# Altium PCB BB.PcbDoc (part 6 of 6)
Units mm, origin at the board's own origin, x right, y up, seen from the top; angles counter-clockwise.
Board outline 170.18 x 88.9 mm, 4 copper layers (Component Side, Ground Plane, Power Plane, Solder Side), stack 1.554 mm thick; 420 components, 358 nets, 1634 pads, 962 vias.
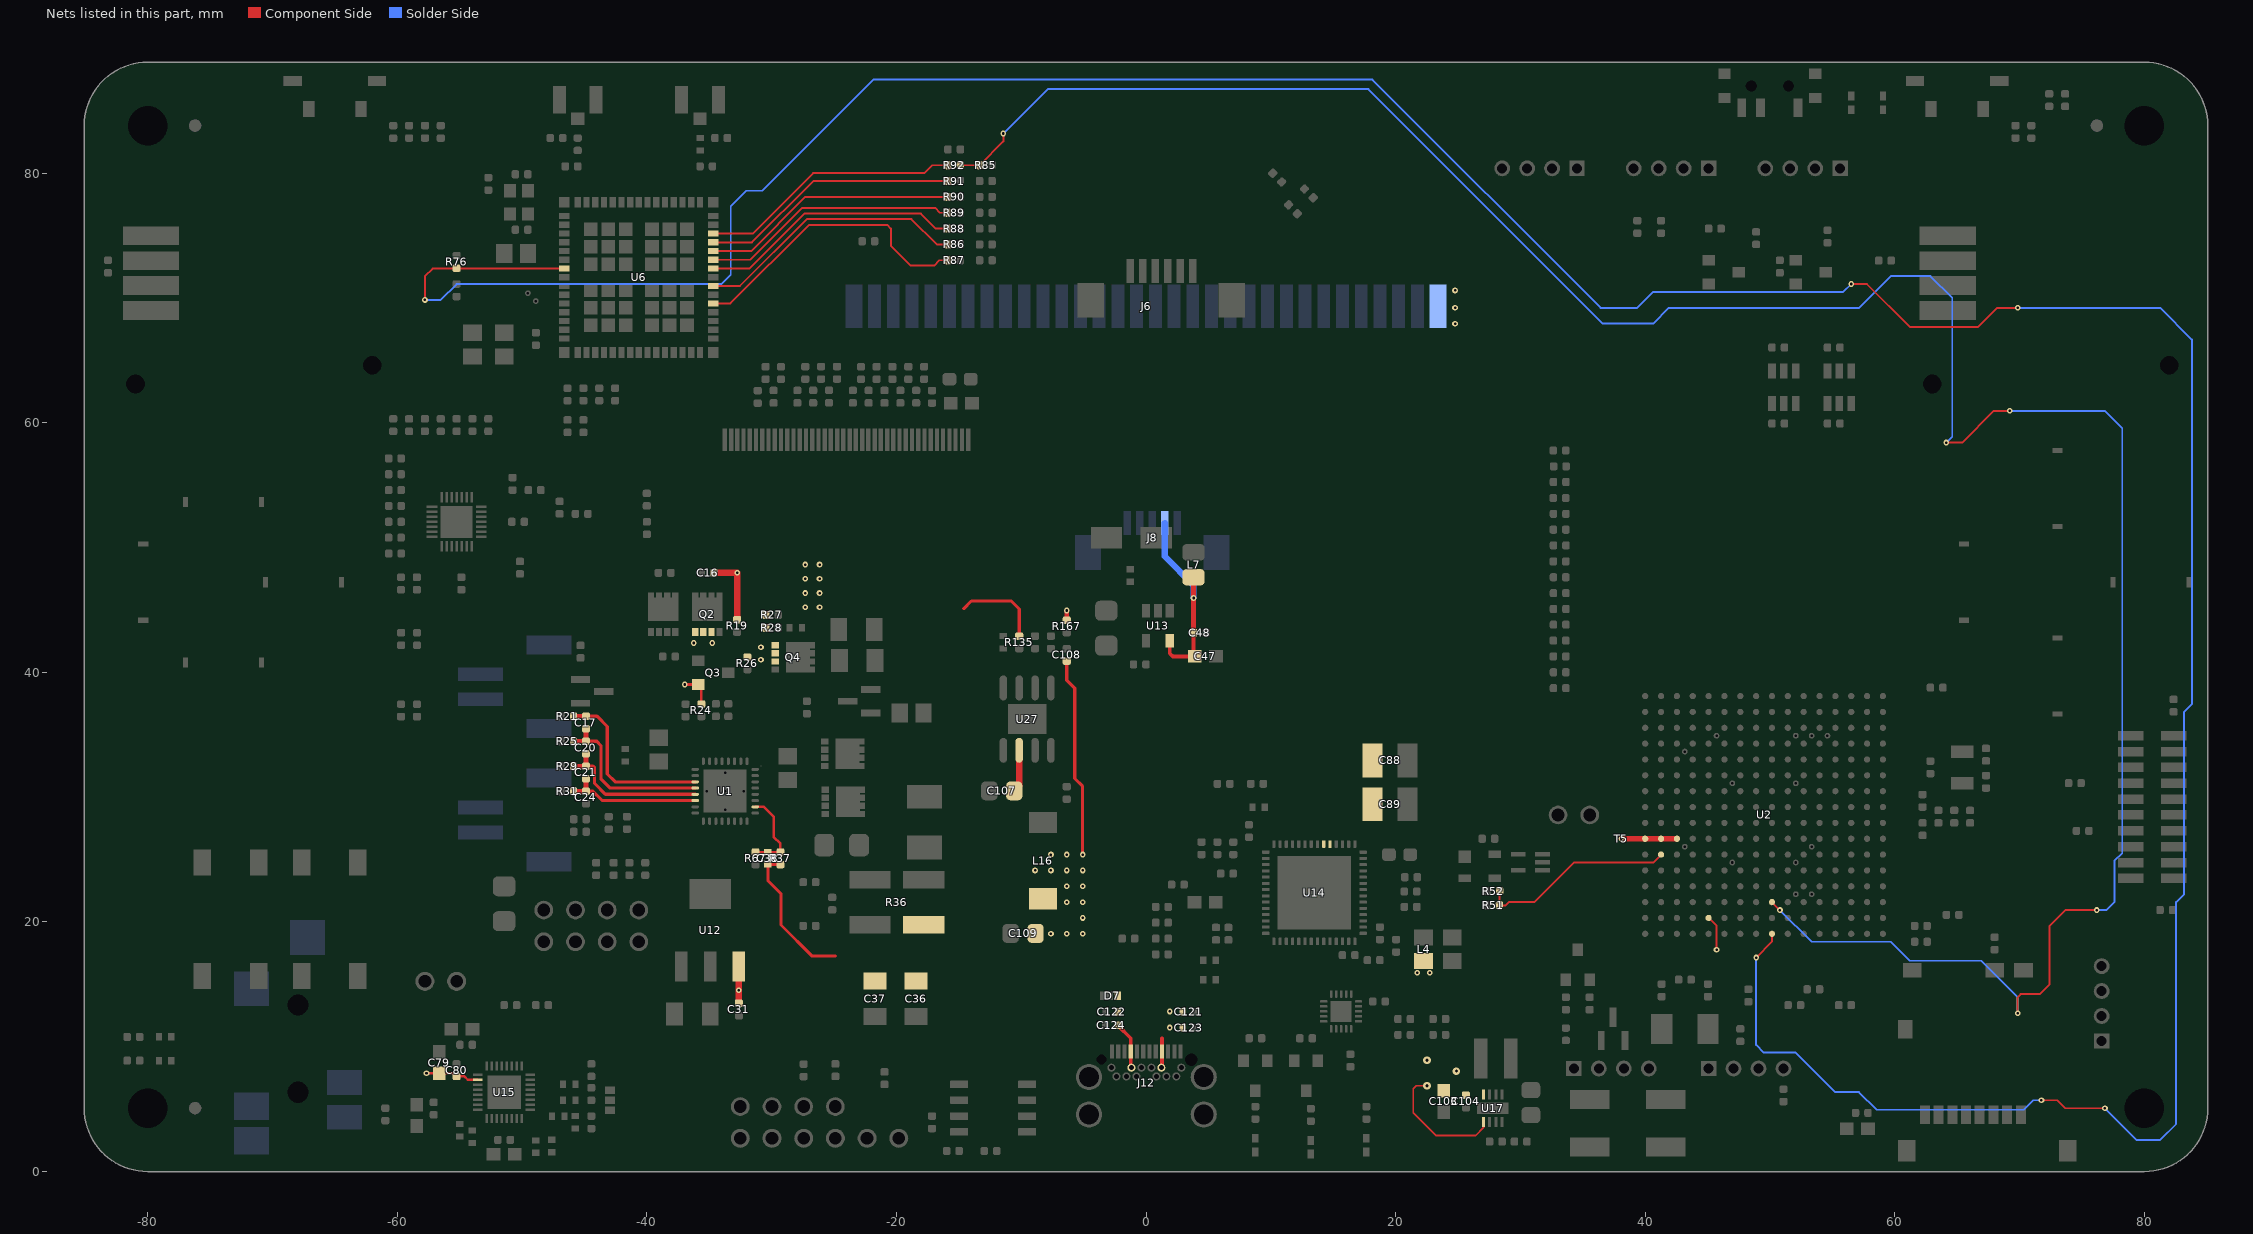
[diagram p8: the nets of this part, all layers, seen from the top]

## Via types
v1: diameter 0.457, hole 0.203, Component Side to Solder Side, tented both sides, 907 vias
v2: diameter 0.5, hole 0.203, Component Side to Solder Side, 32 vias
v3: diameter 0.61, hole 0.254, Component Side to Solder Side, tented both sides, 9 vias
v4: diameter 0.5, hole 0.203, Component Side to Solder Side, tented both sides, 8 vias
v5: diameter 0.457, hole 0.203, Component Side to Solder Side, 6 vias

## Nets (pads, with @x,y where several pads share a name; then routed paths per layer and width w, separated by ;. In a path a pad name is that pad's centre, name@x,y a point inside that pad or via, vN(x,y) a via of type N, cw(c..) or ccw(c..) an arc to the next point about the centre after c; other vN are vias at no path point) (continued)
V5P0: C31.2 C47.2 C48.2 C79.2 C80.2 C103.2 C104.2 C108.2 C109.2 J6.1 J8.2 L7.1 L16.1 R167.1 T5.1 U2.M15 U2.P10 U2.R10 U2.T10 U12.3 U13.5 U15.18 U17.1 U17.8 | length 58
  Component Side w0.152: v3(22.522,6.877) 21.669,6.877 21.413,6.622 21.413,4.717 23.25,2.88 26.405,2.88 27.035,3.51 U17.1@27.035,3.97 ; U2.M15@45.085,20.32 45.72,19.685 v1(45.72,17.78)
  Component Side w0.203: v1(-57.658,7.874) C79.2@-56.642,7.874 -55.548,7.874 -55.294,7.62 C80.2@-55.245,7.62 -54.618,7.62 -54.352,7.354 U15.18@-53.54,7.354
  Component Side w0.254: R167.1@-6.352,44.18 R167.1@-6.35,44.18 ; C108.2@-6.35,40.91 -6.35,39.37 -5.715,38.735 -5.715,31.496 -5.08,30.861 v1(-5.08,25.4)
  Component Side w0.305: U13.5@1.903,42.545 1.903,41.527 2.155,41.275 3.808,41.275 C48.2@3.808,43.18
  Component Side w0.381: R167.1@-6.35,44.088 -6.35,44.18 v1(-6.35,44.96) ; C48.2@3.808,43.18 v1(3.808,45.962) L7.1@3.808,47.625
  Component Side w0.457: T5.1@38.1,26.67 U2.R10@41.275,26.67 U2.P10@42.545,26.67
  Component Side w0.508: C31.2@-32.625,13.492 v1(-32.625,14.52) U12.3@-32.625,16.425
  Solder Side w0.508: J8.2@1.5,51.975 1.5,49.3 3.808,46.992 v1(3.808,45.962)
  other v1: -7.62,19.05 -6.35,19.05 -5.08,19.05 -5.08,20.32 -6.35,21.59 -5.08,21.59 -6.35,22.86 -5.08,22.86 -8.89,24.13 -7.62,24.13 -6.35,24.13 -5.08,24.13 -7.62,25.4 -6.35,25.4 24.765,67.945 24.765,69.215 24.765,70.612
  other v3: 24.872,8.052 22.522,8.919
V_USB_HV: C88.2 C89.2 Q3.2 Q4.1 Q4.2 Q4.3 R24.1 R26.1 R27.1 R28.1 U14.33 U14.34 | length 2.6
  Component Side w0.203: R24.1@-35.628,37.465 Q3.2@-35.628,39.005
  Component Side w0.254: v1(-36.973,39.03) Q3.2@-35.873,39.03
  other v1: -30.856,41.002 -30.856,42.018
VBUS: C121.2 C122.2 C123.2 C124.2 D7.1 J12.A4 J12.A9 J12.B4 J12.B9 L4.1 | length 6.2
  Component Side w0.305: C124.2@-2.254,11.711 -1.222,10.679 J12.A4@-1.222,9.632 J12.B9@-1.222,8.322 ; J12.B4@1.278,8.322 J12.A9@1.278,9.632 1.278,10.679
  other v1: 1.903,11.537 1.905,12.827 21.744,15.942 22.744,15.942
VC1: C21.1 C24.2 R31.2 U1.6 | length 11.1
  Component Side w0.254: C24.2@-44.878,30.48 -44.337,30.48 -43.587,29.73 U1.6@-36.123,29.73
  Component Side w0.381: R31.2@-45.878,30.48 C24.2@-44.878,30.48 C21.1@-44.878,31.48
VC2: C20.1 C21.2 R29.2 U1.5 | length 12.4
  Component Side w0.254: C21.2@-44.878,32.48 -44.305,32.48 -44.191,32.366 -44.191,31.096 -43.325,30.23 U1.5@-36.123,30.23
  Component Side w0.381: R29.2@-45.878,32.48 C21.2@-44.878,32.48 C20.1@-44.878,33.48
VC3: C17.1 C20.2 R25.2 U1.4 | length 13.9
  Component Side w0.254: C20.2@-44.878,34.48 -44.019,34.48 -43.683,34.144 -43.683,31.477 -42.936,30.73 U1.4@-36.123,30.73
  Component Side w0.381: R25.2@-45.878,34.48 C20.2@-44.878,34.48 C17.1@-44.878,35.48
VC4: C17.2 R21.2 U1.3 | length 14.2
  Component Side w0.254: C17.2@-44.878,36.48 -43.987,36.48 -43.175,35.668 -43.175,31.858 -42.547,31.23 U1.3@-36.123,31.23
  Component Side w0.381: R21.2@-45.878,36.48 C17.2@-44.878,36.48
VFB: C38.1 R37.2 R67.1 U1.18 | length 6.9
  Component Side w0.203: U1.18@-31.323,29.23 -30.627,29.23 -29.845,28.448 -29.845,26.824 -29.292,26.271 R37.2@-29.292,25.597 R67.1@-31.292,25.597
VSYS: C16.1 C36.1 C37.1 C38.2 C107.2 Q2.1 Q2.2 Q2.3 R19.1 R36.1 R37.1 R135.2 U27.2 | length 28
  Component Side w0.254: R37.1@-29.292,24.597 C38.2@-30.292,24.597 -30.292,23.307 -29.25,22.265 -29.25,19.76 -26.75,17.26 -24.892,17.26 ; -14.605,45.112 -13.997,45.72 -10.795,45.72 -10.16,45.085 R135.2@-10.16,42.91
  Component Side w0.508: C16.1@-34.623,47.98 v1(-32.766,47.98) R19.1@-32.766,44.23 ; C107.2@-10.668,30.417 -10.594,30.491 -10.569,30.516 -10.16,30.925 U27.2@-10.16,33.758
  other v1: -36.248,42.355 -34.748,42.355 -27.305,45.212 -26.162,45.212 -27.305,46.355 -26.162,46.355 -27.305,47.498 -26.162,47.498 -27.305,48.641 -26.162,48.641
WARM_RST_N: R51.2 R52.1 U2.R11 | length 15.8
  Component Side w0.152: R52.1@28.321,22.479 R51.2@28.321,21.336 28.829,21.336 29.083,21.59 31.115,21.59 34.29,24.765 40.64,24.765 U2.R11@41.275,25.4
WIFI_DEV_IRQ: R92.2 U6.14 | length 21.1
  Component Side w0.152: U6.14@-34.665,75.165 -31.515,75.165 -26.67,80.01 -17.78,80.01 -17.145,80.645 R92.2@-15.875,80.645
WIFI_IRQ: R85.2 R92.1 U2.H14 | length 197.3
  Component Side w0.152: R92.1@-14.875,80.645 R85.2@-13.335,80.645 -11.434,82.546 ; -11.434,82.545 v1(-11.434,83.185) ; U2.H14@50.165,21.59 v1(50.8,20.955) ; v1(64.135,58.42) 65.399,58.42 65.402,58.416 67.946,60.96 v1(69.215,60.96) ; v1(69.85,12.691) 69.85,13.97 70.096,14.215 71.619,14.215 72.41,15.006 72.41,19.699 73.666,20.955 v1(76.2,20.955)
  Solder Side w0.152: v1@-11.432,83.183 -7.874,86.741 17.825,86.741 36.621,67.945 40.635,67.945 41.905,69.215 57.15,69.215 59.695,71.76 62.86,71.76 64.61,70.01 64.61,58.895 v1(64.135,58.42) ; v1(50.8,20.955) 53.34,18.415 59.69,18.415 61.214,16.891 66.929,16.891 69.847,13.973 v1@69.847,12.688 ; v1(69.215,60.96) 76.835,60.96 78.232,59.563 78.232,25.526 77.597,24.891 77.597,21.595 76.957,20.955 v1(76.2,20.955)
WIFI_SDIO_CLK: R86.2 U6.8 | length 21.9
  Component Side w0.152: U6.8@-34.665,70.965 -32.541,70.965 -27.178,76.327 -18.796,76.327 -16.764,74.295 R86.2@-15.875,74.295
WIFI_SDIO_CMD: R87.2 U6.6 | length 23.7
  Component Side w0.152: U6.6@-34.665,69.565 -33.305,69.565 -27.005,75.865 -20.747,75.865 -20.447,75.565 -20.447,74.199 -18.842,72.593 -16.981,72.593 -16.549,73.025 R87.2@-15.875,73.025
WIFI_SDIO_DAT0: R88.2 U6.10 | length 21.1
  Component Side w0.152: U6.10@-34.665,72.365 -31.775,72.365 -27.377,76.763 -18.043,76.763 -16.845,75.565 R88.2@-15.875,75.565
WIFI_SDIO_DAT1: R89.2 U6.11 | length 20.7
  Component Side w0.152: U6.11@-34.665,73.065 -31.71,73.065 -27.559,77.216 -16.891,77.216 -16.51,76.835 R89.2@-15.875,76.835
WIFI_SDIO_DAT2: R90.2 U6.12 | length 20.6
  Component Side w0.152: U6.12@-34.665,73.765 -31.645,73.765 -27.305,78.105 R90.2@-15.875,78.105
WIFI_SDIO_DAT3: R91.2 U6.13 | length 20.8
  Component Side w0.152: U6.13@-34.665,74.465 -31.58,74.465 -26.669,79.375 R91.2@-15.875,79.375
WLAN_EN: R76.1 U2.H16 U6.40 | length 287.7
  Component Side w0.152: v1(-57.785,69.85) -57.785,71.747 -57.167,72.365 U6.40@-46.615,72.365 ; v1(48.895,17.145) 50.165,18.415 U2.H16@50.165,19.05 ; v1(56.507,71.125) 57.772,71.125 61.206,67.691 66.675,67.691 68.199,69.215 v1(69.85,69.215) ; v1(71.755,5.715) 73.026,5.715 73.671,5.07 v1(76.844,5.07)
  Solder Side w0.152: v1(-57.785,69.85) -56.515,69.85 -55.245,71.12 -34.036,71.12 -33.274,71.882 -33.274,77.343 -32.016,78.601 -30.746,78.601 -21.844,87.503 18.141,87.503 36.429,69.215 39.37,69.215 40.64,70.485 55.867,70.485 v1(56.507,71.125) ; v1(48.895,17.145) 48.895,10.154 49.521,9.528 52.054,9.528 55.215,6.367 57.133,6.367 58.547,4.953 70.358,4.953 71.12,5.715 v1(71.755,5.715) ; v1(69.85,69.215) 81.28,69.215 83.82,66.675 83.82,37.465 83.185,36.83 83.185,22.225 82.55,21.59 82.55,3.81 81.28,2.54 79.374,2.54 v1(76.844,5.07)
pads on no net: D1.2 D2.2 F1.0 F2.0 F3.0 J5.S J6.23 J6.24 J6.25 J8.MP1 J8.MP2 J10.35 J10.37 J10.38 J10.39 J10.40 J12.A2 J12.A3 J12.A10 J12.A11 J12.B2 J12.B3 J12.B10 J12.B11 J12.M J13.6 J13.17 J13.18 J13.19 J14.MNT J15.MNT J16.M J17.M J19. J19.5 J19.6 J25.2 MNT1.MOUNT MNT2.MOUNT MNT3.MOUNT MNT4.MOUNT S1.2 S2.1 S2.4 S3.M S4.M S5.2 S6.M S15.0 S15.3 S15.M S16.M U2.B4 U2.D5 U2.D12 U2.E14 U2.E16 U2.H6 U2.J6 U2.J14 U2.J15 U2.J16 U2.K4 U2.K13 U2.K14 U2.K15 U2.K16 U2.L13 U2.M14 U2.N2 U2.N6 U2.N7 U2.N14 U2.R7 U2.R14 U2.R15 U2.R16 U2.T11 U2.T15 U2.T16 U4.1 U5.11 U6.2 U6.3 U6.4 U6.5 U6.21 U6.22 U6.25 U6.26 U6.27 U6.56 U6.57 U6.58 U6.60 U6.62 U12.4 U14.1 U14.25 U14.29 U14.30 U14.31 U14.32 U15.1 U15.2 U15.3 U15.4 U15.32 U17.6 U30.21@15.154,12.352 U30.21@15.154,13.302 U30.21@16.104,12.352 U30.21@16.104,13.302

## Polygon pours and split planes (outlines as drawn)
VSYS on Component Side "Component Side-VSYS" (solid, pour order 37): -26.035,17.78 -26.035,15.873 -24.767,14.605 -17.146,14.605 -13.335,18.416 -13.335,22.168 -9.906,25.597 -9.906,31.206 -10.958,31.206 -11.176,30.988 -11.176,29.722 -11.561,29.337 -13.556,29.337 -14.351,30.132 -14.351,45.42 -17.817,48.886 -27.75,48.886 -27.75,44.912 -20.275,44.912 -16.002,40.639 -16.002,20.337 -17.817,20.337 -17.817,17.775 -26.023,17.775
VBUS on Component Side "VBUS_L01_P027" (solid, pour order 27): -2.159,11.537 -2.159,11.938 -1.905,11.932 -1.905,12.519 -2.159,12.519 -2.159,13.081 -1.905,13.081 -1.905,13.737 -2.159,13.737 -2.159,14.351 1.489,14.351 2.794,13.081 2.794,12.519 2.54,12.519 2.54,11.823 2.794,11.811 2.794,11.303 2.032,11.303 1.397,10.668 1.143,10.668 1.143,11.091 1.397,11.345 1.397,12.319 1.016,12.7 -0.635,12.7 -1.798,11.537
V_USB_HV on Component Side "V_USB_HV_L01_P025" (solid, pour order 25): 14.144,29.63 14.144,32.203 13.327,33.02 -0.002,33.02 -1.905,31.117 -4.447,31.115 -5.082,31.75 -5.082,39.376 -5.715,40.009 -5.715,45.112 -5.742,45.112 -10.16,49.53 -27.94,49.53 -30.472,46.988 -30.472,42.418 -29.972,42.418 -29.972,40.731 -31.55,40.73 -31.877,41.057 -31.877,48.768 -29.21,51.435 -8.892,51.435 -4.445,46.988 -4.447,40.998 -3.175,39.726 -3.175,32.893 -2.794,32.512 -2.163,32.512 0.25,34.925 16.718,34.925 17.502,34.141 17.502,28.448 15.494,28.448 14.859,27.813 14.859,26.162 14.605,26.162 14.605,26.742 14.351,26.742 14.351,26.162 14.144,26.162
GND on Component Side "GND_L01_P021" (solid, remove dead copper, pour order 21): -48.006,64.5 -48.006,81.026 -50.165,83.185 -50.17,87.63 -31.75,87.63 -31.75,81.28 -33.661,79.369 -33.654,64.5
SYS_VDD_1P8V on Component Side "SYS_VDD_1P8V_L01_P015" (solid, pour order 15): 53.467,25.654 53.721,25.908 53.721,26.916 53.46,27.178 52.197,27.178 51.943,27.432 51.943,28.321 51.816,28.448 51.053,28.448 50.927,28.321 50.927,27.559 50.546,27.178 45.974,27.178 45.72,26.924 45.72,26.289 46.101,25.908 47.879,25.908 48.26,25.527 48.26,24.638 48.514,24.384 50.8,24.384 50.927,24.511 50.927,25.528 51.053,25.654
SYS_VDD1_3P3V on Component Side "SYS_VDD1_3P3V_L01_P014" (solid, pour order 14): 53.467,32.004 53.086,32.385 51.054,32.385 50.8,32.131 50.8,31.242 50.927,31.115 50.927,30.353 51.308,29.972 53.086,29.972 53.467,30.353
SYS_VOUT on Component Side "SYS_VOUT_L01_P013" (solid, pour order 13): 48.006,32.385 48.26,32.131 48.26,31.115 48.133,30.988 48.133,30.226 47.879,29.972 45.974,29.972 45.72,30.226 45.72,32.131 45.974,32.385
SYS_VDD3_3P3V on Component Side "SYS_VDD3_3P3V_L01_P016" (solid, pour order 16): 53.34,27.559 53.34,29.464 52.959,29.845 51.181,29.845 50.8,30.226 50.8,30.861 50.546,31.115 48.641,31.115 48.26,30.734 48.26,30.099 48.006,29.845 46.101,29.845 45.72,29.464 45.72,27.559 45.974,27.305 50.546,27.305 50.927,27.686 50.927,28.194 51.054,28.321 51.689,28.321 51.816,28.194 51.816,27.94 52.451,27.305 53.086,27.305
BGND on Solder Side "BGND_L04_P039" (solid, pour order 39): -54.991,27.559 -54.991,23.236 -48.9,17.145 -19.685,17.145 -15.753,21.077 -15.753,44.328 -20.955,49.53 -36.23,49.53 -45.085,40.675 -45.085,31.115 -48.641,27.559
USB_3V3 on Solder Side "USB_3V3_L04_P033" (solid, remove dead copper, pour order 33): -13.335,3.81 -13.335,1.27 -13.97,0.635 -30.48,0.635 -31.115,1.27 -31.115,8.255 -28.575,10.795 -15.236,10.795 2.599,28.63 20.9,28.63 27.94,21.59 27.939,20.176 27.067,19.304 20.955,19.304 14.233,26.026 9.525,26.026 6.35,26.035 5.715,25.4 5.715,23.488 8.494,20.709 8.494,18.654 6.302,16.462 -3.863,16.462 -8.895,11.43 -8.895,3.81
V1P8 on Solder Side "Solder Side-V1P8" (solid, pour order 31): -34.29,11.176 -36.581,11.176 -37.367,11.176 -44.733,3.81 -52.705,3.81 -53.977,5.082 -53.976,15.876 -79.248,41.148 -79.248,74.676 -78.232,75.692 -49.657,75.692 -48.895,74.93 -48.895,72.644 -47.625,72.644 -46.482,73.787 -39.624,73.787 -39.116,74.295 -35.766,74.295 -33.147,78.461 -33.147,79.979 -33.147,81.661 -77.469,81.661 -83.82,75.311 -83.82,38.735 -60.325,15.24 -60.325,4.953 -56.642,1.27 -41.91,1.27 -34.29,8.89
VBUS on Solder Side "VBUS_L04_P029" (solid, pour order 29): 1.397,11.682 1.903,11.176 8.636,11.176 13.97,16.51 16.51,16.51 17.78,15.24 22.851,15.24 23.241,15.63 23.241,17.39 22.475,18.156 13.699,18.156 9.513,13.97 1.871,13.97 1.397,13.496
VSYS on Solder Side "VSYS_L04_P023" (solid, pour order 23): -36.195,41.275 -36.821,41.901 -36.83,46.355 -34.29,48.895 -33.017,48.898 -25.393,48.896 -25.393,44.958 -32.512,44.958 -33.655,43.815 -33.655,41.91 -34.29,41.275
GND on Ground Plane (split plane): -80.01,88.39 80.01,88.39 80.028,88.391 80.309,88.382 80.607,88.353 80.902,88.304 81.193,88.236 81.48,88.149 81.76,88.044 82.032,87.92 82.296,87.779 82.55,87.621 82.793,87.447 83.024,87.257 83.243,87.053 83.447,86.834 83.637,86.603 83.811,86.36 83.969,86.106 84.11,85.842 84.234,85.57 84.339,85.29 84.426,85.003 84.494,84.712 84.543,84.417 84.572,84.119 84.581,83.838 84.58,83.82 84.58,5.08 84.581,5.062 84.572,4.781 84.543,4.483 84.494,4.188 84.426,3.897 84.339,3.61 84.234,3.33 84.11,3.058 83.969,2.794 83.811,2.54 83.637,2.297 83.447,2.066 83.243,1.847 83.024,1.643 82.793,1.453 82.55,1.279 82.296,1.121 82.032,0.98 81.76,0.856 81.48,0.751 81.193,0.664 80.902,0.596 80.607,0.547 80.309,0.518 80.028,0.509 80.01,0.51 -80.01,0.51 -80.028,0.509 -80.309,0.518 -80.607,0.547 -80.902,0.596 -81.193,0.664 -81.48,0.751 -81.76,0.856 -82.032,0.98 -82.296,1.121 -82.55,1.279 -82.793,1.453 -83.024,1.643 -83.243,1.847 -83.447,2.066 -83.637,2.297 -83.811,2.54 -83.969,2.794 -84.11,3.058 -84.234,3.33 -84.339,3.61 -84.426,3.897 -84.494,4.188 -84.543,4.483 -84.572,4.781 -84.581,5.062 -84.58,5.08 -84.58,83.82 -84.581,83.838 -84.572,84.119 -84.543,84.417 -84.494,84.712 -84.426,85.003 -84.339,85.29 -84.234,85.57 -84.11,85.842 -83.969,86.106 -83.811,86.36 -83.637,86.603 -83.447,86.834 -83.243,87.053 -83.024,87.257 -82.793,87.447 -82.55,87.621 -82.296,87.779 -82.032,87.92 -81.76,88.044 -81.48,88.149 -81.193,88.236 -80.902,88.304 -80.607,88.353 -80.309,88.382 -80.028,88.391
V3P3 on Power Plane (split plane): -80.01,88.39 80.01,88.39 80.028,88.391 80.309,88.382 80.607,88.353 80.902,88.304 81.193,88.236 81.48,88.149 81.76,88.044 82.032,87.92 82.296,87.779 82.55,87.621 82.793,87.447 83.024,87.257 83.243,87.053 83.447,86.834 83.637,86.603 83.811,86.36 83.969,86.106 84.11,85.842 84.234,85.57 84.339,85.29 84.426,85.003 84.494,84.712 84.543,84.417 84.572,84.119 84.581,83.838 84.58,83.82 84.58,5.08 84.581,5.062 84.572,4.781 84.543,4.483 84.494,4.188 84.426,3.897 84.339,3.61 84.234,3.33 84.11,3.058 83.969,2.794 83.811,2.54 83.637,2.297 83.447,2.066 83.243,1.847 83.024,1.643 82.793,1.453 82.55,1.279 82.296,1.121 82.032,0.98 81.76,0.856 81.48,0.751 81.193,0.664 80.902,0.596 80.607,0.547 80.309,0.518 80.028,0.509 80.01,0.51 -80.01,0.51 -80.028,0.509 -80.309,0.518 -80.607,0.547 -80.902,0.596 -81.193,0.664 -81.48,0.751 -81.76,0.856 -82.032,0.98 -82.296,1.121 -82.55,1.279 -82.793,1.453 -83.024,1.643 -83.243,1.847 -83.447,2.066 -83.637,2.297 -83.811,2.54 -83.969,2.794 -84.11,3.058 -84.234,3.33 -84.339,3.61 -84.426,3.897 -84.494,4.188 -84.543,4.483 -84.572,4.781 -84.581,5.062 -84.58,5.08 -84.58,83.82 -84.581,83.838 -84.572,84.119 -84.543,84.417 -84.494,84.712 -84.426,85.003 -84.339,85.29 -84.234,85.57 -84.11,85.842 -83.969,86.106 -83.811,86.36 -83.637,86.603 -83.447,86.834 -83.243,87.053 -83.024,87.257 -82.793,87.447 -82.55,87.621 -82.296,87.779 -82.032,87.92 -81.76,88.044 -81.48,88.149 -81.193,88.236 -80.902,88.304 -80.607,88.353 -80.309,88.382 -80.028,88.391
V1P8 on Power Plane (split plane): -53.894,9.352 -53.873,9.338 -53.848,9.333 -46.482,9.333 -46.457,9.338 -46.436,9.352 -44.423,11.365 -34.355,11.365 -34.355,8.904 -36.182,7.077 -46.355,7.077 -47.579,8.301 -47.6,8.315 -47.625,8.32 -54.579,8.32 -57.1,10.841 -57.121,10.855 -57.146,10.86 -58.424,10.86 -58.449,10.855 -58.47,10.841 -59.101,10.21 -59.115,10.189 -59.12,10.164 -59.12,7.874 -59.115,7.849 -59.101,7.828 -57.369,6.096 -58.338,5.127 -59.283,5.127 -59.879,5.723 -59.879,11.149 -59.028,12 -56.542,12
V5P0 on Power Plane (split plane): 26.605,71.098 26.605,67.337 3.783,44.515 -3.177,44.515 -3.202,44.51 -3.223,44.496 -4.491,43.228 -4.505,43.207 -4.51,43.182 -4.51,27.938 -4.505,27.913 -4.491,27.892 -3.242,26.643 -3.242,17.78 -3.237,17.755 -3.223,17.734 0.587,13.924 0.608,13.91 0.633,13.905 7.593,13.905 13.289,8.209 13.31,8.195 13.335,8.19 19.693,8.19 19.718,8.195 19.739,8.209 21.625,10.095 26.035,10.095 26.06,10.1 26.081,10.114 29.252,13.285 33.67,13.285 33.695,13.29 33.716,13.304 36.241,15.829 36.255,15.85 36.26,15.875 36.26,27.151 37.111,28.002 39.216,28.002 39.94,27.278 39.94,21.59 39.945,21.565 39.959,21.544 40.213,21.29 40.234,21.276 40.259,21.271 47.219,21.271 48.195,20.295 48.195,18.442 46.944,17.191 40.74,10.987 29.972,10.987 29.947,10.982 29.926,10.968 24.103,5.145 10.196,5.145 4.833,10.508 4.812,10.522 4.787,10.527 -16.213,10.527 -16.238,10.522 -16.259,10.508 -19.045,7.721 -32.984,7.721 -33.008,7.716 -33.029,7.702 -35.841,4.891 -55.98,4.891 -58.99,7.901 -58.99,10.137 -58.397,10.73 -57.173,10.73 -54.652,8.209 -54.631,8.195 -54.606,8.19 -47.652,8.19 -46.428,6.966 -46.407,6.952 -46.382,6.947 -36.155,6.947 -36.13,6.952 -36.109,6.966 -34.244,8.831 -34.23,8.852 -34.225,8.877 -34.225,14.832 -33.882,15.175 -28.602,15.175 -27.351,13.924 -27.33,13.91 -27.305,13.905 -20.952,13.905 -20.928,13.91 -20.907,13.924 -7.509,27.321 -7.495,27.342 -7.491,27.367 -7.491,33.133 -7.491,41.821 -6.939,42.372 -6.925,42.393 -6.92,42.418 -6.92,44.196 -6.925,44.221 -6.939,44.242 -7.555,44.858 -7.555,45.704 -5.699,47.56 3.81,47.56 3.835,47.565 3.856,47.579 22.271,65.994 22.285,66.015 22.29,66.04 22.29,70.463 24.152,72.325 25.378,72.325
USB_V5P0 on Power Plane (split plane): 19.62,26.008 19.62,18.188 18.261,16.829 17.223,16.829 16.575,17.477 16.575,18.388 17.191,19.004 17.205,19.025 17.21,19.05 17.21,26.181 17.888,26.859 18.769,26.859

## Other copper
Component Side:
  region net HSRN: -26.47,19.438 -25.142,19.438 -25.142,18.938 -24.392,18.938 -24.392,19.438 -22.592,19.438 -22.592,19.938 -24.142,19.938 -24.905,20.701 -25.335,20.701 -26.098,19.938 -26.47,19.938
  region net HSRP: -26.47,23.438 -22.592,23.438 -22.592,22.938 -24.142,22.938 -24.977,22.103 -25.278,22.103 -26.113,22.938 -26.47,22.938
  region net GND: 25.244,16.492 25.244,15.892 25.094,15.742 23.994,15.742 23.844,15.892 23.844,16.492
  region net VBUS: 22.944,16.492 22.944,15.892 22.794,15.742 21.694,15.742 21.544,15.892 21.544,16.492
  region net GND: 21.544,25.918 22.244,25.918 22.444,25.718 22.444,25.018 22.344,24.918 21.544,24.918
  region net GND: -53.47,65.188 -53.47,64.045 -54.483,64.045 -54.483,65.188
  region net GND: -50.93,65.188 -50.93,64.045 -51.943,64.045 -51.943,65.188
  region net GND: -24.002,56.515 -25.526,56.515 -25.526,55.372 -25.399,55.245 -24.128,55.245 -24.002,55.371
  region net GND: -16.002,56.515 -17.526,56.515 -17.526,55.372 -17.399,55.245 -16.128,55.245 -16.002,55.371
  region net GND: -55.245,10.033 -55.245,9.701 -55.294,9.652 -55.88,9.652 -55.88,9.476 -55.435,9.031 -55.435,8.62 -55.118,8.62 -55.118,9.017 -54.737,9.398 -54.737,10.033
  region net V1P8: -35.306,16.425 -35.306,10.922 -35.433,10.795 -37.465,10.795 -37.465,8.877 -34.417,8.877 -34.417,16.44
  region net SYS_VDD1_3P3V: 67.129,7.825 67.129,3.302 66.748,2.921 57.731,2.921 57.731,3.937 57.731,4.953 58.112,4.953 58.239,4.826 58.239,4.191 58.874,3.556 66.24,3.556 66.494,3.81 66.494,7.825
  region net NetC32_2: 17.944,20.042 19.644,20.042 21.244,18.442 24.344,18.442 24.344,19.442 21.244,19.442 20.044,20.642 17.944,20.642
  region net GND: 21.744,34.242 22.244,34.242 22.544,33.942 22.544,31.942 22.244,31.642 21.744,31.642
  region net GND: 21.744,30.742 22.244,30.742 22.544,30.442 22.544,28.442 22.244,28.142 21.744,28.142
  region net USB_V5P0: 18.034,25.908 19.05,25.908 19.05,24.903 18.034,24.903 17.907,25.019 17.907,25.781
  region net V3P3: -46.863,67.22 -47.752,67.22 -48.514,67.982 -48.641,67.982 -48.641,67.22 -49.149,67.22 -49.149,67.982 -50.8,67.982 -50.8,67.728 -52.07,67.728 -52.07,67.982 -53.34,67.982 -53.34,67.815 -54.483,67.815 -54.483,68.49 -53.535,69.438 -49.208,69.438 -48.133,68.363 -46.863,68.363 -46.863,67.982 -47.117,67.982 -47.117,67.601 -46.863,67.601
  region net GND: -51.562,73.065 -52.705,73.065 -52.705,74.078 -51.562,74.078
  region net V1P8: -46.355,73.57 -47.244,73.57 -47.752,73.062 -49.022,73.062 -49.022,75.221 -49.53,75.221 -49.53,75.729 -48.768,75.729 -46.99,73.951 -46.355,73.951
  region net GND: -22.86,12.065 -22.86,11.177 -17.865,11.177 -17.653,11.43 -17.653,12.065
  region net BGND: -29.423,33.63 -29.423,34.23 -29.162,34.491 -28.284,34.491 -28.023,34.23 -28.023,33.63
  region net NetL1_1: -16.817,25.068 -16.817,23.368 -18.817,23.368 -18.817,25.068
  region net BGND: -21.303,40.13 -20.576,40.13 -20.326,40.38 -20.326,41.48 -20.576,41.73 -21.303,41.73
  region net BGND: -21.303,42.63 -20.576,42.63 -20.326,42.88 -20.326,43.98 -20.576,44.23 -21.303,44.23
  region net NetC26_2: -26.58,40.23 -25.18,40.23 -25.08,40.33 -25.08,43.83 -25.23,43.98 -25.83,43.98 -26.08,43.73 -26.08,42.43 -26.28,42.23 -26.58,42.23
  region net PH: -25.723,29.08 -26.323,29.08 -26.473,29.23 -26.473,31.23 -25.823,31.88 -23.323,31.88 -23.223,31.98 -23.223,34.63 -22.123,34.63 -21.723,34.23 -19.107,34.23 -16.451,31.574 -16.451,30.93 -19.107,30.93 -19.107,31.795 -19.642,32.33 -21.623,32.33 -22.723,31.23 -25.423,31.23 -25.723,30.93
  region net GND: -25.923,32.98 -26.523,32.98 -26.723,33.18 -26.723,34.48 -26.523,34.68 -25.923,34.68
  region net NetC26_2: -22.723,30.73 -22.473,30.73 -21.473,29.73 -21.473,26.316 -22.059,25.73 -23.223,25.73 -23.223,26.73 -22.823,26.73 -22.723,26.83
  region net BGND: -17.291,37.442 -16.691,37.442 -16.43,37.181 -16.43,36.303 -16.691,36.042 -17.291,36.042
  region net NetC15_2: -38.223,43.03 -38.223,42.43 -38.676,41.977 -38.676,40.005 -39.057,40.005 -39.057,40.253 -41.984,43.18 -49.598,43.18 -50.487,42.291 -50.487,40.73 -52.519,40.73 -52.519,43.815 -50.614,45.72 -41.851,45.72 -40.327,44.196 -40.327,43.234 -40.123,43.03
  region net VSYS: -34.648,43.055 -34.648,42.455 -34.848,42.255 -36.148,42.255 -36.348,42.455 -36.348,43.055
  region net BGND: -50.487,27.305 -50.487,22.86 -52.392,22.86 -52.392,27.305
  region net NetJ14_2: -52.473,29.48 -52.473,37.73 -50.523,37.73 -50.473,37.68 -50.473,29.48
  region net NetQ1_5: -34.023,46.13 -39.873,46.13 -39.873,46.58 -39.723,46.73 -34.123,46.73 -34.023,46.63
  region net BGND: -38.256,35.192 -38.256,35.919 -38.506,36.169 -39.606,36.169 -39.856,35.919 -39.856,35.192
  region net NetC6_1: 67.437,32.909 67.437,31.75 67.183,31.75 67.183,32.909
  region net V3P3: 28.426,5.781 28.426,7.305 28.706,7.585 28.706,10.658 31.352,10.658 32.404,9.606 32.404,5.781
  region net NetL9_1: 27.41,5.781 27.41,6.569 26.293,7.686 26.293,10.709 27.385,10.709 27.385,7.585 27.664,7.305 27.664,5.781
  region net V5P0: 27.156,5.781 22.483,5.781 22.072,6.192 22.072,9.232 22.359,9.519 23.83,9.519 26.273,7.077 26.648,7.077 27.156,6.569
  region net GND: 28.147,3.571 28.147,4.613 29.392,4.613 30.077,3.927 31.551,3.927 31.551,5.222 30.027,5.222 29.722,5.527 23.423,5.527 23.219,5.324 23.219,3.851 23.321,3.749 25.658,3.749 26.547,4.638 26.572,4.613 27.41,4.613 27.41,3.571
  region net V5P0: -9.144,18.485 -8.763,18.104 -4.699,18.105 -4.445,18.359 -4.445,25.4 -5.08,26.035 -7.874,26.035 -9.144,24.765
  region net GND: -10.795,18.479 -12.065,18.479 -12.89,19.304 -12.89,20.32 -12.446,20.32 -11.811,19.685 -10.795,19.685
  region net GND: -6.159,35.56 -12.065,35.56 -12.7,34.925 -12.7,30.099 -13.589,30.099 -13.97,30.48 -13.97,36.195 -13.335,36.83 -6.159,36.83
  region net NetC106_1: -9.144,33.655 -9.144,27.305 -7.366,27.305 -7.366,29.718 -6.352,29.718 -6.352,30.033 -7.394,30.033 -8.636,31.275 -8.636,33.655
Solder Side:
  region net V_USB_HV: -37.338,38.862 -37.211,38.735 -32.512,38.735 -30.475,40.772 -30.475,43.937 -31.115,44.577 -32.004,44.577 -32.004,41.275 -33.909,39.37 -37.211,39.37 -37.338,39.243
  region net NetC26_2: -23.495,27.178 -23.495,36.83 -26.416,39.751 -26.416,44.45 -25.146,44.45 -25.146,41.021 -21.463,37.338 -21.463,27.178
  region net SYS_VDD1_3P3V: 66.04,6.223 66.048,9.525 66.418,9.525 67.31,8.651 67.31,6.223
  region net GND: -22.733,67.818 -24.13,67.818 -24.13,73.66 -22.733,73.66
  region net V5P0: 24.003,70.866 24.765,70.866 25.019,70.612 25.019,67.945 24.765,67.691 24.003,67.691
  region net NetJ14_2: -55.073,29.21 -55.073,31.242 -53.931,32.385 -50.653,32.385 -50.653,29.972 -51.415,29.21
  region net NetJ14_2: -55.093,38.1 -55.093,36.068 -53.95,34.925 -50.673,34.925 -50.673,37.338 -51.435,38.1
  region net NetC15_2: -55.118,40.005 -55.118,42.037 -53.975,43.18 -50.698,43.18 -50.698,40.767 -51.46,40.005
Power Plane (plane layer: these items are gaps in the copper):
  lines w0.127: -57.277,6.096 -58.311,5.062 -59.31,5.062 -59.944,5.696 -59.944,11.176 -59.055,12.065 -56.515,12.065 -53.848,9.398 -46.482,9.398 -44.45,11.43 -34.29,11.43 ; -59.055,7.874 -59.055,10.164 -58.424,10.795 -57.146,10.795 -54.606,8.255 -47.625,8.255 -46.382,7.012 -36.155,7.012 -34.29,8.877 -34.29,14.859 -33.909,15.24 -28.575,15.24 -27.305,13.97 -20.952,13.97 -7.555,27.367 -7.555,33.133 -7.555,41.848 -6.985,42.418 -6.985,44.196 -7.62,44.831 -7.62,45.731 -5.725,47.625 3.81,47.625 22.225,66.04 22.225,70.49 24.125,72.39 25.405,72.39 26.67,71.125 26.67,67.31 3.81,44.45 -3.177,44.45 -4.445,43.182 -4.445,27.938 -3.177,26.67 -3.177,17.78 0.633,13.97 7.62,13.97 13.335,8.255 19.693,8.255 21.598,10.16 26.035,10.16 29.225,13.35 33.67,13.35 36.195,15.875 36.195,27.178 37.084,28.067 39.243,28.067 40.005,27.305 40.005,21.59 40.259,21.336 47.246,21.336 48.26,20.322 48.26,18.415 46.99,17.145 40.767,10.922 29.972,10.922 24.13,5.08 10.169,5.08 4.787,10.462 -16.213,10.462 -19.019,7.656 -32.984,7.656 -35.814,4.826 -56.007,4.826 -59.055,7.874 ; 16.51,17.45 17.196,16.764 18.288,16.764 19.685,18.161 19.685,26.035 18.796,26.924 17.861,26.924 17.145,26.208 17.145,19.05 16.51,18.415 16.51,17.45

## Silkscreen, mask and mechanical layers (free items; w line width, h text height)
Top Overlay:
  lines w0.254: -44.323,35.814 -43.964,35.814 -42.926,36.852 -42.926,36.956
  text "OFF" at 42.549,87.63 h1.52
  text "ON" at 55.245,87.63 h1.52
  text "TOP LEFT" at -68.58,81.915 h1.52
  text "TOP RIGHT" at 62.227,81.915 h1.52
  text "AD1" at -84.455,74.549 h1.52
  text "ADC2" at 57.16,74.295 h1.52
  text "BAT SCL" at 1.048,73.66 h1.02 r90
  text "BAT SDA" at 2.032,73.66 h1.02 r90
  text "GPIO1_24" at 4.032,73.66 h1.02 r90
  text "AD0" at -84.455,70.485 h1.52
  text "ADC3" at 57.152,70.485 h1.52
  text "O" at 19.685,70.431 h10
  text "Guppy Buddy" at 19.685,66.04 h2.54
  text "Rev" at 19.685,63.5 h2.54
  text "'.Revision'" at 24.13,63.5 h2.54
  text "X" at 72.368,58.801 h2.54
  text "UP" at -75.311,57.785 h2.54
  text "Y" at 64.897,51.435 h2.54
  text "A" at 80.01,51.435 h2.54
  text "B" at 72.377,43.806 h2.54
  text "LEFT" at -82.931,41.529 h2.54
  text "RIGHT" at -69.638,41.529 h2.54
  text "DOWN" at -76.454,35.306 h2.54
  text "SHORT FOR EEPROM" at 24.344,31.071 h1.52
  text "SELECT" at -78.105,28.624 h2.54
  text "START" at -67.31,28.624 h2.54
  text "SPK+" at -57.277,16.865 h1.52 r90
  text "SPK-" at -54.8,16.853 h1.52 r90
  text "SDA" at -26.924,10.16 h1.52 r90
  text "SCL" at -24.384,10.16 h1.52 r90
  text "G" at -31.75,6.985 h2.03 r90
  text "3.3V" at -29.845,6.973 h1.52 r90
  text "OS SDCARD" at 51.435,0.651 h1.52
  text "RESET" at 43.815,0.635 h1.52
  text "C" at -27.75,0.127 h1.52
  text "MI" at -25.413,0.127 h1.52
  text "MO" at -22.878,0.127 h1.52
  text "S" at -20.193,0.127 h1.52
Bottom Overlay:
  text "BOTTOM LEFT" at -61.595,81.915 h1.52
  text "BOTTOM RIGHT" at 68.199,81.915 h1.52
  text "G" at 29.115,77.851 h1.52 r90
  text "V3P3" at 31.115,77.851 h1.52 r90
  text "GPIO1_13" at 33.115,77.851 h1.52 r90
  text "GPIO1_12" at 35.115,77.851 h1.52 r90
  text "G" at 39.656,77.851 h1.52 r90
  text "V3P3" at 41.656,77.851 h1.52 r90
  text "I2C2_SDA" at 43.656,77.851 h1.52 r90
  text "I2C2_SCL" at 45.656,77.851 h1.52 r90
  text "G" at 50.197,77.851 h1.52 r90
  text "V3P3" at 52.197,77.851 h1.52 r90
  text "GPIO1_15" at 54.197,77.851 h1.52 r90
  text "GPIO1_14" at 56.197,77.851 h1.52 r90
  text "G" at -23.067,66.675 h1.02 r90
  text "CART_DETECT_N" at -21.402,66.675 h1.02 r90
  text "CART_REQ__N" at -19.902,66.675 h1.02 r90
  text "SPI1_CS0" at -18.402,66.675 h1.02 r90
  text "SPI1_MISO" at -16.902,66.675 h1.02 r90
  text "SPI1_MOSI" at -15.402,66.675 h1.02 r90
  text "SPI1_SCLK" at -13.902,66.675 h1.02 r90
  text "I2C0_SDA" at -7.902,66.675 h1.02 r90
  text "I2C0_SCL" at -6.402,66.675 h1.02 r90
  text "GPIO0_27" at -4.902,66.675 h1.02 r90
  text "GPIO0_26" at -3.402,66.675 h1.02 r90
  text "GPIO0_23" at -1.902,66.675 h1.02 r90
  text "GPIO0_22" at -0.402,66.675 h1.02 r90
  text "GPIO1_16" at 1.098,66.675 h1.02 r90
  text "GPIO1_18" at 2.598,66.675 h1.02 r90
  text "GPIO1_19" at 4.098,66.675 h1.02 r90
  text "GPIO1_22" at 5.598,66.675 h1.02 r90
  text "MMC1_DAT7" at 7.098,66.675 h1.02 r90
  text "MMC1_DAT6" at 8.598,66.675 h1.02 r90
  text "MMC1_DAT5" at 10.098,66.675 h1.02 r90
  text "MMC1_DAT4" at 11.598,66.675 h1.02 r90
  text "MMC1_DAT3" at 13.098,66.675 h1.02 r90
  text "MMC1_DAT2" at 14.598,66.675 h1.02 r90
  text "MMC1_DAT1" at 16.098,66.675 h1.02 r90
  text "MMC1_DAT0" at 17.598,66.675 h1.02 r90
  text "MMC1_CLK" at 19.098,66.675 h1.02 r90
  text "MMC1_CMD" at 20.598,66.675 h1.02 r90
  text "MMC1_CLK" at 22.098,66.675 h1.02 r90
  text "V5P0" at 23.876,66.675 h1.02 r90
  text "INT0" at -1.851,54.642 h1.02 r270
  text "I2C0_SCL" at -0.851,54.642 h1.02 r270
  text "I2C0_SDA" at 2.149,54.642 h1.02 r270
  text "G" at 74.041,15.891 h1.52
  text "V3P3" at 74.041,13.891 h1.52
  text "UART0_TX" at 74.041,11.954 h1.52
  text "V3P3" at 33.655,10.795 h1.52 r270
  text "V3P3" at 37.719,10.795 h1.52 r270
  text "G" at 39.719,10.795 h1.52 r270
  text "SCLK0" at 44.577,10.795 h1.52 r270
  text "MISO0" at 46.609,10.795 h1.52 r270
  text "MOSI0" at 48.641,10.795 h1.52 r270
  text "CS0" at 50.546,10.795 h1.52 r270
  text "UART0_RX" at 74.041,9.954 h1.52
Top Solder:
  the board outline again, w0.152
Mechanical 2:
  the board outline again, w0.152
Mechanical 3:
  lines w0.127: -76.042,47.225 82.958,47.225 ; -72.665,43.848 -72.665,50.602 ; 72.41,42.773 72.41,51.677
  lines w0.254: 45.085,80.391 49.626,80.391

## Text inside footprints (layer, text, board x,y; h text height)
J5: Top Overlay "Front" at 72.381,1.778 h1.02 r180
J6: Bottom Overlay "1" at 23.622,72.237 h1.52
J14: Bottom Overlay "POS" at -57.04,39.846 h0.76 r270; Bottom Overlay "NEG" at -57.04,35.846 h0.76 r270
J15: Bottom Overlay "POS" at -57.04,29.178 h0.76 r270; Bottom Overlay "NEG" at -57.04,25.178 h0.76 r270
J16: Top Overlay "Y" at -84.735,70.525 h1.52; Top Overlay "X" at -84.735,74.523 h1.52; Top Overlay "VCC" at -84.735,72.524 h1.52; Top Overlay "G" at -84.735,68.477 h1.52
J17: Top Overlay "G" at 59.265,68.477 h1.52; Top Overlay "VCC" at 59.265,72.524 h1.52; Top Overlay "X" at 59.265,74.523 h1.52; Top Overlay "Y" at 59.265,70.525 h1.52